# KiCad board FP Interface Card.kicad_pcb
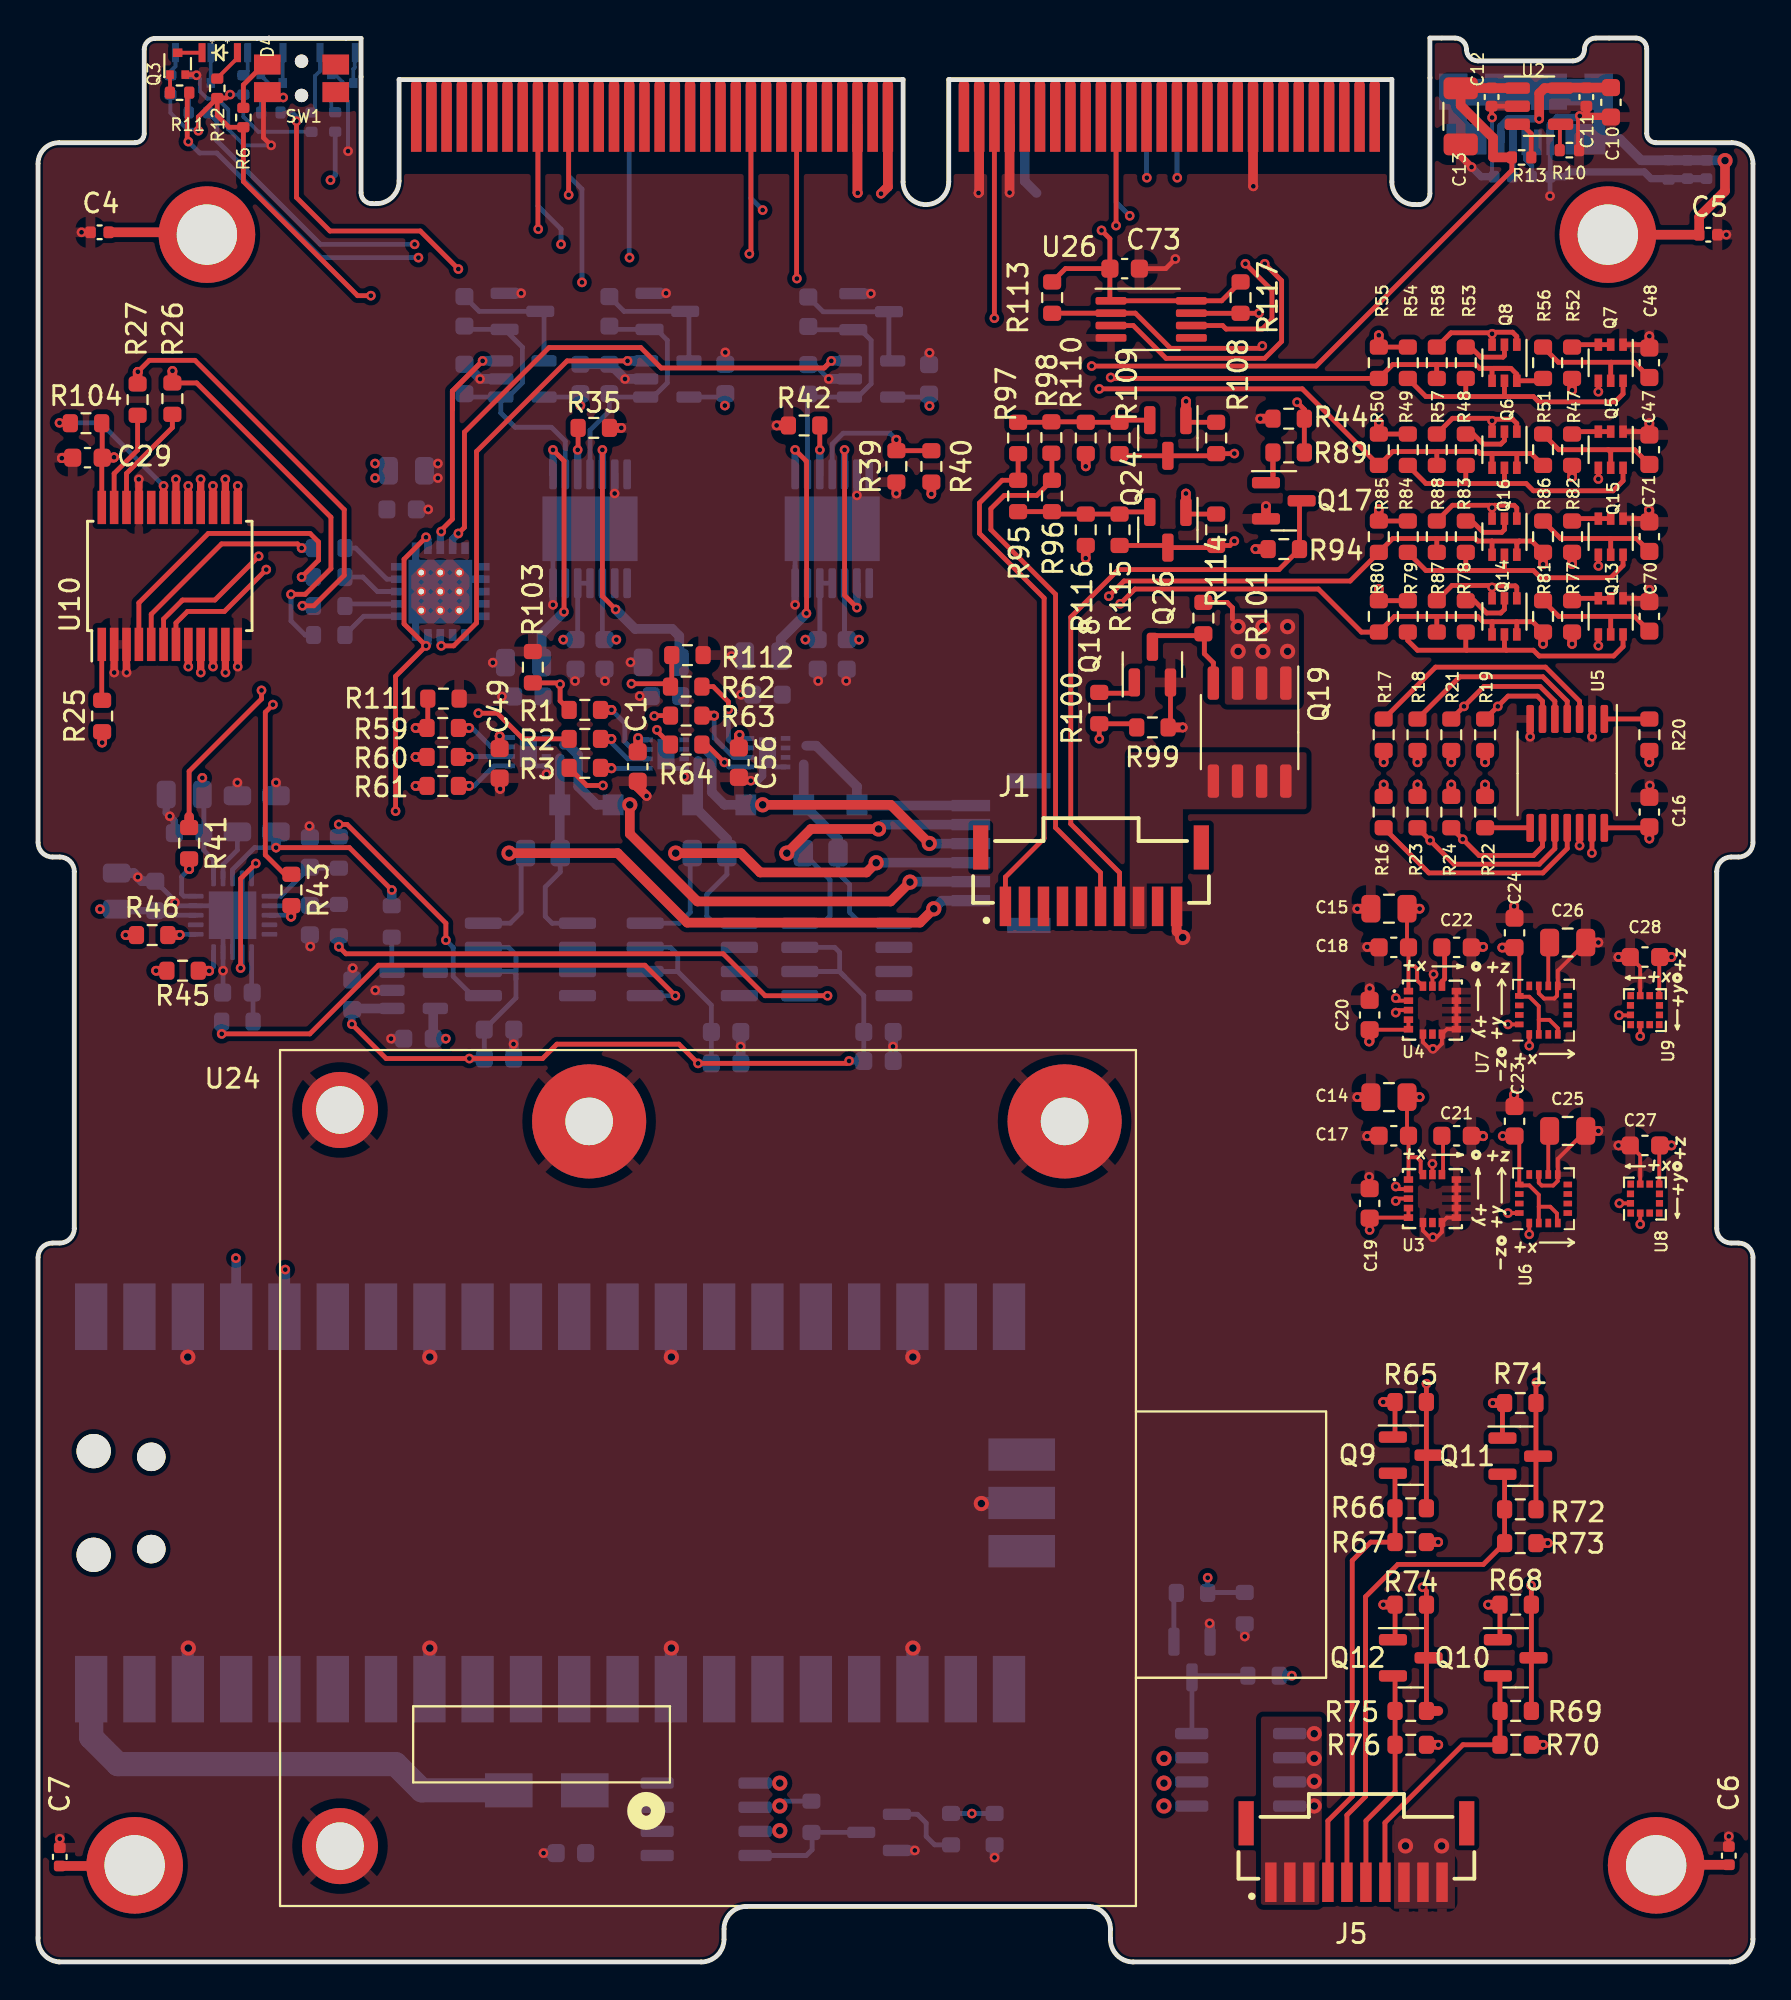
[diagram p0: board, top side]
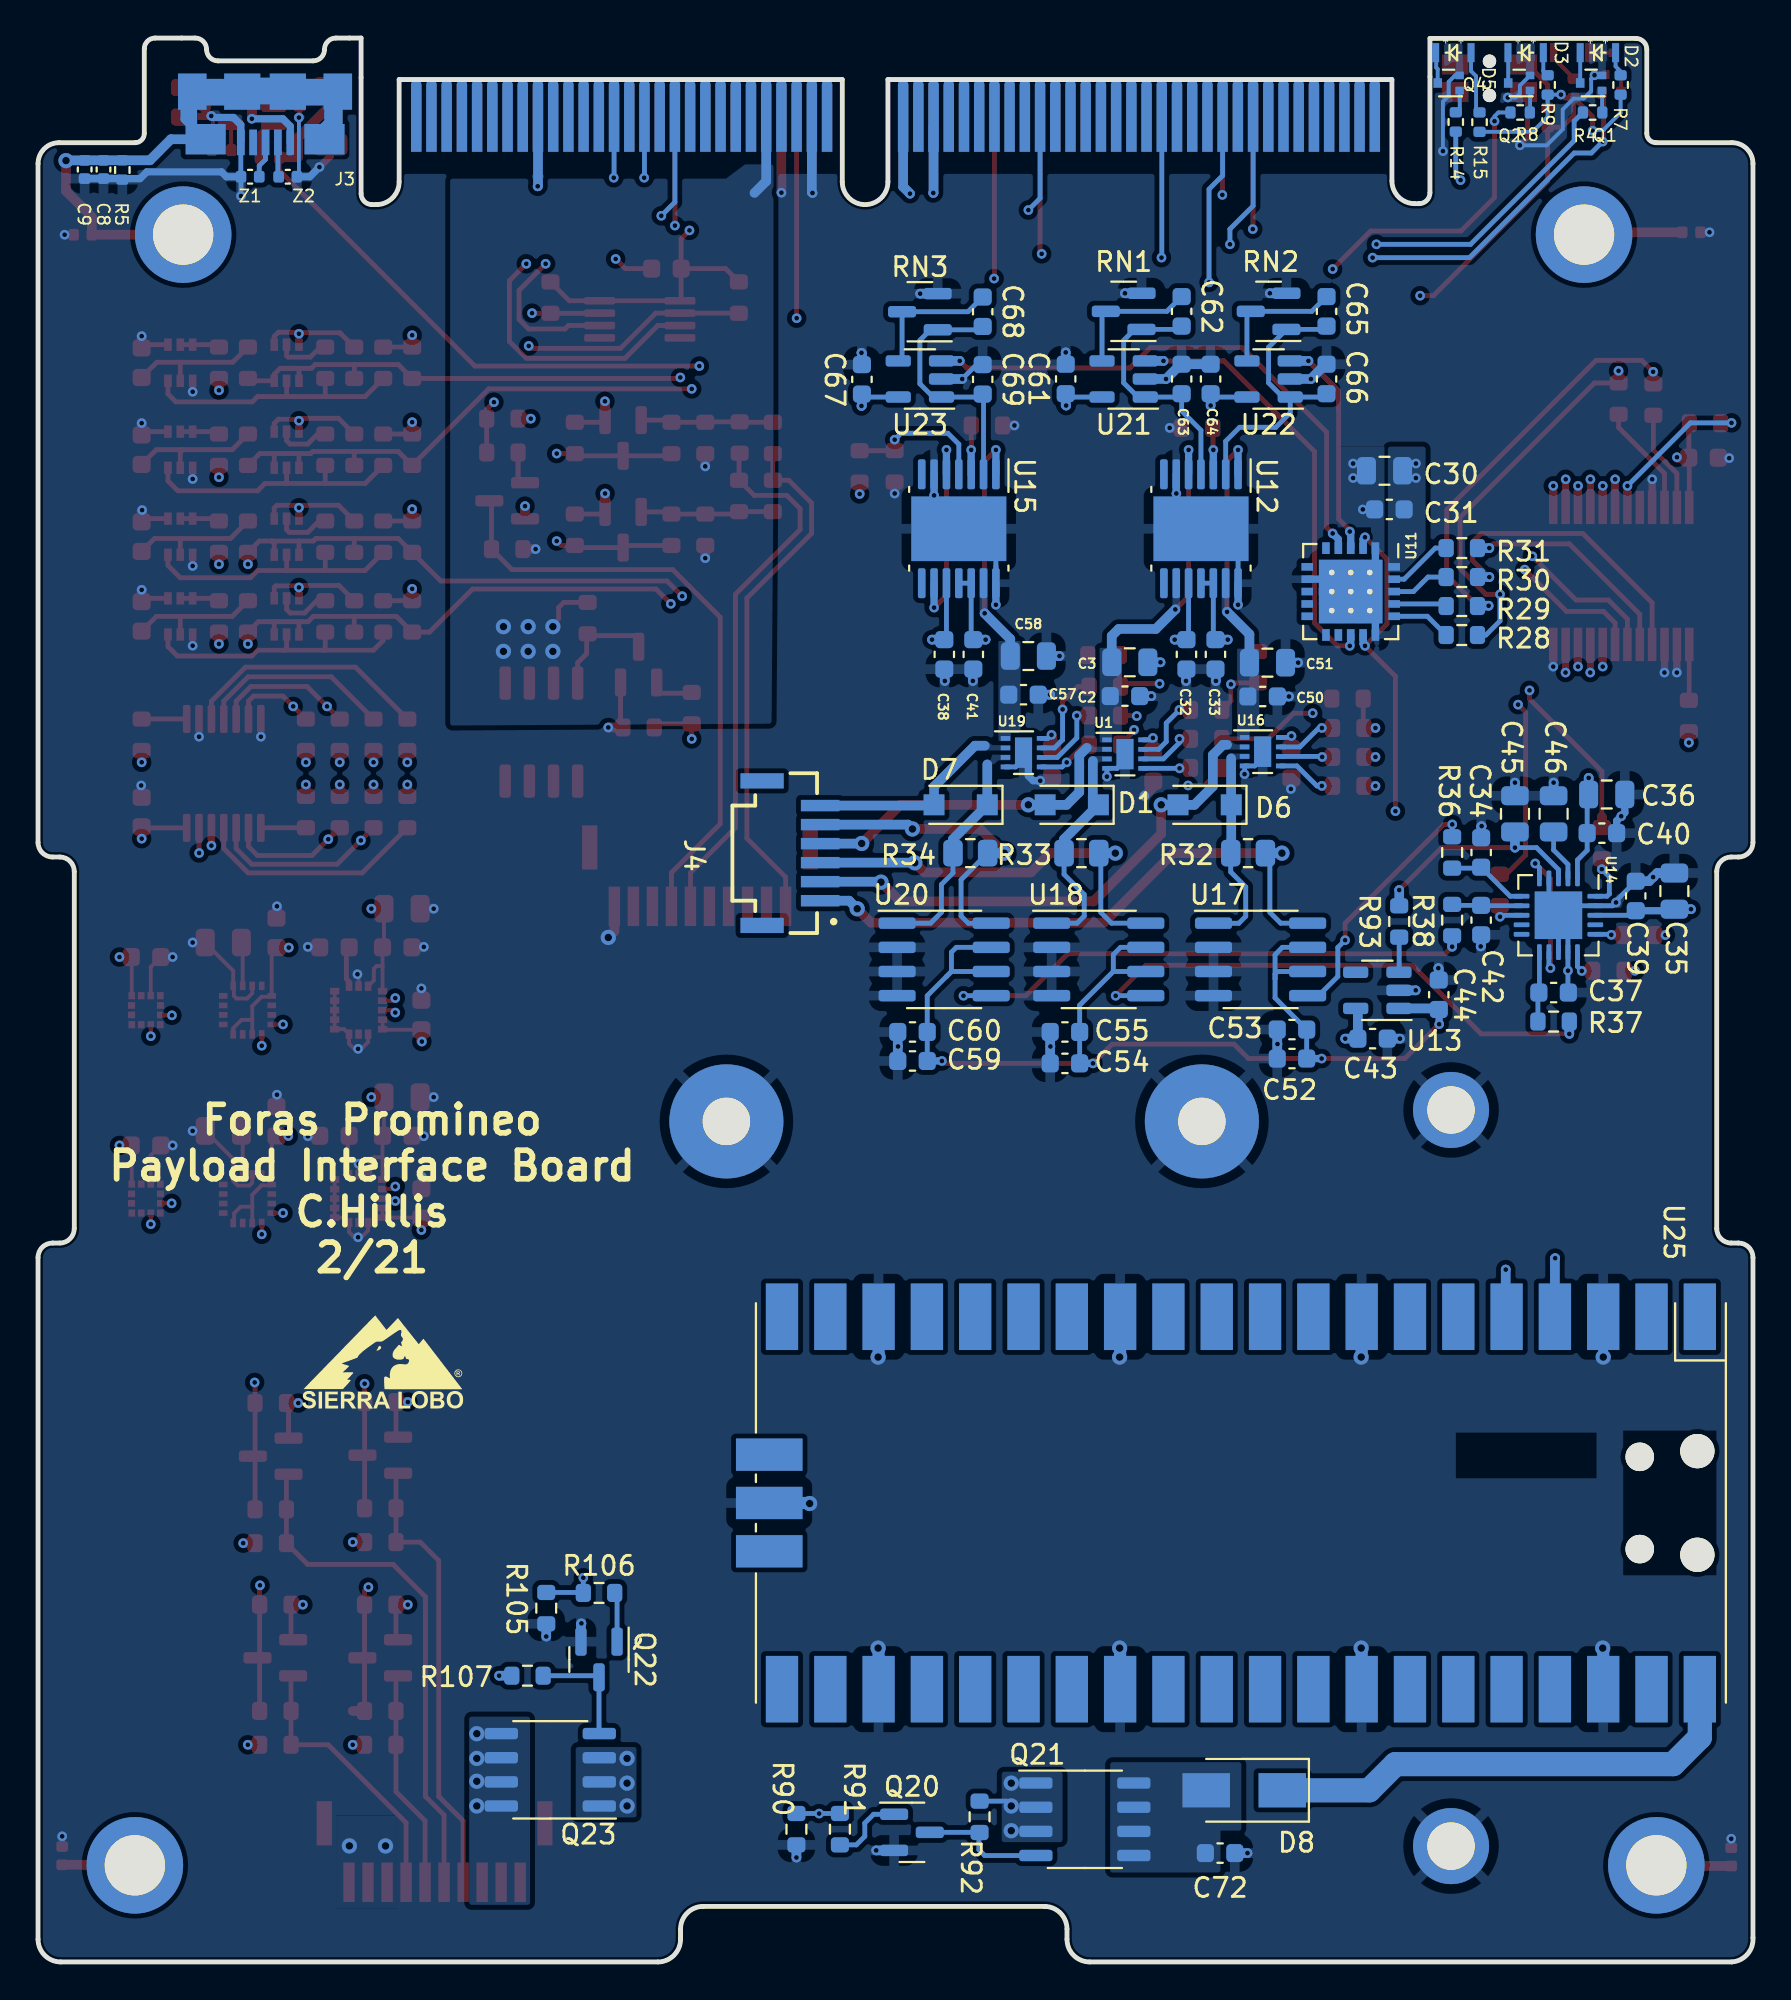
[diagram p1: board, bottom side, seen from below]

Outline 90.17 x 101.14 mm; copper layers: Top, In1.Cu, In2.Cu, In3.Cu, In4.Cu, Bottom. Coordinates in mm from the lower left corner of the outline.
Outline path: 0,1.27 0,37.03 arc(0.22,37.57) 0.76,37.8 1.14,37.8 arc(1.68,38.02) 1.91,38.56 1.91,57.33 arc(1.68,57.87) 1.14,58.09 0.76,58.09 arc(0.22,58.31) 0,58.85 0,94.54 arc(0.32,95.32) 1.1,95.64 5.1,95.64 arc(5.44,95.78) 5.58,96.13 5.58,100.55 arc(5.75,100.96) 6.16,101.13 11.5,101.13 16.98,101.13 16.98,99.11 16.98,93.01 arc(17.15,92.61) 17.56,92.44 17.78,92.44 arc(18.63,92.79) 18.98,93.64 18.98,98.96 45.48,98.96 45.48,93.59 arc(46.68,92.39) 47.88,93.59 47.88,98.96 71.18,98.96 71.18,93.59 arc(71.54,92.74) 72.38,92.39 72.61,92.39 arc(73.02,92.56) 73.18,92.96 73.18,99.06 73.18,101.14 74.51,101.14 arc(74.93,100.97) 75.11,100.54 arc(75.28,100.12) 75.71,99.94 80.71,99.94 arc(81.13,100.12) 81.31,100.54 arc(81.48,100.97) 81.91,101.14 84.02,101.14 arc(84.42,100.98) 84.58,100.58 84.58,96.13 arc(84.73,95.78) 85.07,95.64 89.07,95.64 arc(89.85,95.32) 90.17,94.54 90.17,58.85 arc(89.95,58.31) 89.41,58.09 89.03,58.09 arc(88.49,57.87) 88.27,57.33 88.27,38.56 arc(88.49,38.02) 89.03,37.8 89.41,37.8 arc(89.95,37.57) 90.17,37.03 90.17,1.19 arc(89.82,0.35) 88.98,0 57.58,0 arc(56.74,0.35) 56.39,1.19 56.39,1.73 arc(56.04,2.57) 55.19,2.92 37.26,2.92 arc(36.42,2.57) 36.07,1.73 36.07,1.19 arc(35.72,0.35) 34.87,0 1.12,0 arc(0.3,0.4) 0,1.27
Stack: Top 0.035mm / dielectric 0.274mm FR4 er 4.5 / In1.Cu 0.035mm / dielectric 0.274mm FR4 er 4.5 / In2.Cu 0.035mm / dielectric 0.274mm FR4 er 4.5 / In3.Cu 0.035mm / dielectric 0.274mm FR4 er 4.5 / In4.Cu 0.035mm / dielectric 0.274mm FR4 er 4.5 / Bottom 0.035mm

## Placement (name value [footprint] x y rotation side)
C1  0.1uF  [C_0603_1608Metric]  31.53 62.85 270 top
C2  0.1uF  [C_0603_1608Metric]  33.02 66.55 180 bottom
C3  4.7uF  [C_0805_2012Metric]  32.77 68.33 180 bottom
C4  0.1uF  [C_0402_1005Metric]  3.24 90.93 0 top
C5  0.1uF  [C_0402_1005Metric]  87.82 90.8 180 top
C6  0.1uF  [C_0402_1005Metric]  88.9 5.59 270 top
C7  0.1uF  [C_0402_1005Metric]  1.14 5.52 270 top
C8  0.1uF  [C_0402_1005Metric]  86.73 94.23 270 bottom
C9  1nF  [C_0402_1005Metric]  87.72 94.23 270 bottom
C10  10uF  [C_0603_1608Metric]  82.7 97.76 270 top
C11  0.1uF  [C_0402_1005Metric]  81.41 98.04 270 top
C12  0.1uF  [C_0402_1005Metric]  76.43 98.04 270 top
C13  47uF  [C_1206_3216Metric]  74.8 97.03 270 top
C14  2.2uF  [C_0805_2012Metric]  71.03 45.47 180 top
C15  2.2uF  [C_0805_2012Metric]  71.03 55.37 180 top
C16  0.1uF  [C_0603_1608Metric]  84.72 60.45 90 top
C17  0.1uF  [C_0603_1608Metric]  71.28 43.43 180 top
C18  0.1uF  [C_0603_1608Metric]  71.28 53.34 180 top
C19  10nF  [C_0603_1608Metric]  70.01 39.88 90 top
C20  10nF  [C_0603_1608Metric]  70.01 49.78 90 top
C21  0.47uF  [C_0603_1608Metric]  74.59 43.43 0 top
C22  0.47uF  [C_0603_1608Metric]  74.59 53.34 0 top
C23  1uF  [C_0603_1608Metric]  77.63 44.2 90 top
C24  1uF  [C_0603_1608Metric]  77.63 54.1 90 top
C25  10uF  [C_0805_2012Metric]  80.43 43.69 0 top
C26  10uF  [C_0805_2012Metric]  80.43 53.59 0 top
C27  1uF  [C_0603_1608Metric]  84.49 42.93 180 top
C28  1uF  [C_0603_1608Metric]  84.49 52.83 180 top
C29  0.1uF  [C_0603_1608Metric]  2.6 79.08 180 top
C30  10uF  [C_0805_2012Metric]  19.37 78.39 0 bottom
C31  0.1uF  [C_0603_1608Metric]  19.12 76.36 0 bottom
C32  0.1uF  [C_0603_1608Metric]  29.79 68.74 270 bottom
C33  0.1uF  [C_0603_1608Metric]  28.26 68.74 270 bottom
C34  560pF  [C_0603_1608Metric]  14.29 58.33 270 bottom
C35  10uF  [C_0805_2012Metric]  4.13 56.3 90 bottom
C36  10uF  [C_0805_2012Metric]  7.69 61.38 180 bottom
C37  560pF  [C_0603_1608Metric]  10.48 50.96 0 bottom
C38  0.1uF  [C_0603_1608Metric]  42.52 68.74 270 bottom
C39  0.1uF  [C_0603_1608Metric]  6.16 56.04 90 bottom
C40  0.1uF  [C_0603_1608Metric]  7.94 59.34 180 bottom
C41  0.1uF  [C_0603_1608Metric]  40.99 68.74 270 bottom
C42  560pF  [C_0603_1608Metric]  14.29 54.77 90 bottom
C43  0.1uF  [C_0603_1608Metric]  20 48.54 180 bottom
C44  0.1uF  [C_0603_1608Metric]  16.52 50.85 90 bottom
C45  2.2uF  [C_0805_2012Metric]  12.51 60.36 90 bottom
C46  2.2uF  [C_0805_2012Metric]  10.48 60.36 90 bottom
C47  10nF  [C_0603_1608Metric]  84.72 79.5 90 top
C48  10nF  [C_0603_1608Metric]  84.72 84.07 90 top
C49  0.1uF  [C_0603_1608Metric]  24.27 63.01 270 top
C50  0.1uF  [C_0603_1608Metric]  25.78 66.53 180 bottom
C51  4.7uF  [C_0805_2012Metric]  25.53 68.31 180 bottom
C52  1uF  [C_0603_1608Metric]  24.24 47.49 0 bottom
C53  0.1uF  [C_0603_1608Metric]  24.24 49.02 0 bottom
C54  1uF  [C_0603_1608Metric]  36.18 47.24 0 bottom
C55  0.1uF  [C_0603_1608Metric]  36.18 48.89 0 bottom
C56  0.1uF  [C_0603_1608Metric]  36.85 63.05 270 top
C57  0.1uF  [C_0603_1608Metric]  38.35 66.62 180 bottom
C58  4.7uF  [C_0805_2012Metric]  38.1 68.65 180 bottom
C59  1uF  [C_0603_1608Metric]  44.19 47.37 0 bottom
C60  0.1uF  [C_0603_1608Metric]  44.19 48.89 0 bottom
C61  0.1uF  [C_0603_1608Metric]  36.14 83.22 90 bottom
C62  0.1uF  [C_0603_1608Metric]  30.04 86.78 90 bottom
C63  0.1uF  [C_0603_1608Metric]  30.04 83.22 90 bottom
C64  0.1uF  [C_0603_1608Metric]  28.52 83.22 90 bottom
C65  0.1uF  [C_0603_1608Metric]  22.42 86.78 90 bottom
C66  0.1uF  [C_0603_1608Metric]  22.42 83.22 90 bottom
C67  0.1uF  [C_0603_1608Metric]  46.85 83.2 90 bottom
C68  0.1uF  [C_0603_1608Metric]  40.5 86.76 90 bottom
C69  0.1uF  [C_0603_1608Metric]  40.5 83.2 90 bottom
C70  10nF  [C_0603_1608Metric]  84.72 70.74 90 top
C71  10nF  [C_0603_1608Metric]  84.72 74.93 90 top
C72  1uF  [C_0603_1608Metric]  28.02 5.72 180 bottom
C73  0.01uF  [C_0603_1608Metric]  57.13 89.02 0 top
D1  TPSMF4L6.0A  [D_SOD-123F]  35.82 60.83 0 bottom
D2  RED  [APA2107x]  8.15 100.38 270 bottom
D3  YELLOW  [APA2107x]  11.95 100.38 270 bottom
D4  GREEN  [APA2107x]  9.55 100.38 270 top
D5  ORANGE  [APA2107x]  15.75 100.38 270 bottom
D6  TPSMF4L6.0A  [D_SOD-123F]  28.83 60.83 0 bottom
D7  TPSMF4L6.0A  [D_SOD-123F]  41.66 60.83 0 bottom
D8  S1G  [D_SMA]  26.75 9.02 0 bottom
G***  LOGO  [Sierra_Lobo_Logo]  72.06 31.54 180 bottom
H1  SLI-Backplane-Blank-Card-KiCad:125mil_hole  [125mil_hole]  8.88 90.81 0 top
H2  SLI-Backplane-Blank-Card-KiCad:125mil_hole  [125mil_hole]  82.54 90.81 0 top
H3  SLI-Backplane-Blank-Card-KiCad:125mil_hole  [125mil_hole]  85.08 5.08 0 top
H4  SLI-Backplane-Blank-Card-KiCad:125mil_hole  [125mil_hole]  5.08 5.08 0 top
J1  T1M-10-F-SV-L  [SAMTEC_T1M-10-F-SV-L]  55.37 57.91 0 top
J3  -  [ZX62-AB-5PA(31)]  78.23 101.13 0 bottom
J4  T1M-6-F-SV-L  [SAMTEC_T1M-06-F-SV-L]  51.44 58.29 90 bottom
J5  T1M-10-F-SV-L  [SAMTEC_T1M-10-F-SV-L]  69.32 6.6 0 top
P1  Card Edge for HSEC8-160-01-S-DV-A-K-TR  [HSEC8-160-CARD-EDGE]  45.48 98.96 0 top
Q1  BC847BM3T5G  [SOT-723]  8.51 98.78 0 bottom
Q2  BC847BM3T5G  [SOT-723]  12.29 98.78 0 bottom
Q3  BC847BM3T5G  [SOT-723]  7.34 99.8 90 top
Q4  BC847BM3T5G  [SOT-723]  16 98.78 0 bottom
Q5  BSS138DWQ-7  [SOT-363_SC-70-6]  82.69 79.5 270 top
Q6  MMDT5551-7-F  [SOT-363_SC-70-6]  77.1 79.5 270 top
Q7  BSS138DWQ-7  [SOT-363_SC-70-6]  82.69 84.07 270 top
Q8  MMDT5551-7-F  [SOT-363_SC-70-6]  77.1 84.07 270 top
Q9  BSS138  [SOT-23]  72.17 26.64 0 top
Q10  BSS138  [SOT-23]  77.69 15.99 0 top
Q11  BSS138  [SOT-23]  77.94 26.59 0 top
Q12  BSS138  [SOT-23]  72.18 15.99 0 top
Q13  BSS138DWQ-7  [SOT-363_SC-70-6]  82.69 70.74 270 top
Q14  MMDT5551-7-F  [SOT-363_SC-70-6]  77.1 70.74 270 top
Q15  BSS138DWQ-7  [SOT-363_SC-70-6]  82.69 74.93 270 top
Q16  MMDT5551-7-F  [SOT-363_SC-70-6]  77.1 74.93 270 top
Q17  MMBT4401-7-F  [SOT-23]  65.5 76.82 0 top
Q18  MMBT4401-7-F  [SOT-23]  58.59 68.2 90 top
Q19  IRF7404TRPBF  [SO-8_3.9x4.9mm_P1.27mm]  63.7 64.66 270 top
Q20  MMBT4401-7-F  [SOT-23]  44.22 6.81 180 bottom
Q21  IRF7404TRPBF  [SO-8_3.9x4.9mm_P1.27mm]  35.13 7.5 180 bottom
Q22  MMBT4401-7-F  [SOT-23]  60.67 15.9 270 bottom
Q23  IRF7404TRPBF  [SO-8_3.9x4.9mm_P1.27mm]  63.24 10.1 0 bottom
Q24  BSS138  [SOT-23]  59.41 80.12 270 top
Q26  BSS138  [SOT-23]  59.41 75.29 270 top
R1  100  [R_0603_1608Metric]  28.75 65.82 0 top
R2  100  [R_0603_1608Metric]  28.75 64.3 0 top
R3  100  [R_0603_1608Metric]  28.75 62.78 0 top
R4  1.5k  [R_0402_1005Metric]  8.43 97.23 0 bottom
R5  1Meg  [R_0402_1005Metric]  85.74 94.21 270 bottom
R6  10k  [R_0402_1005Metric]  10.8 96.96 90 top
R7  1.5k  [R_0402_1005Metric]  6.96 98.68 90 bottom
R8  1.5k  [R_0402_1005Metric]  12.24 97.23 0 bottom
R9  1.5k  [R_0402_1005Metric]  10.8 98.68 90 bottom
R10  10k  [R_0402_1005Metric]  80.52 95.25 0 top
R11  1.5k  [R_0402_1005Metric]  7.44 98.27 0 top
R12  1.5k  [R_0402_1005Metric]  9.42 98.5 90 top
R13  10k  [R_0402_1005Metric]  78 94.87 0 top
R14  1.5k  [R_0402_1005Metric]  15.63 96.73 270 bottom
R15  1.5k  [R_0402_1005Metric]  14.38 96.72 90 bottom
R16  100k  [R_0603_1608Metric]  70.75 60.45 270 top
R17  100k  [R_0603_1608Metric]  70.75 64.52 90 top
R18  100k  [R_0603_1608Metric]  72.53 64.52 90 top
R19  10k  [R_0603_1608Metric]  76.09 64.52 90 top
R20  100k  [R_0603_1608Metric]  84.72 64.52 90 top
R21  10k  [R_0603_1608Metric]  74.31 64.52 90 top
R22  100k  [R_0603_1608Metric]  76.09 60.45 270 top
R23  10k  [R_0603_1608Metric]  72.53 60.45 270 top
R24  10k  [R_0603_1608Metric]  74.31 60.45 270 top
R25  100k  [R_0603_1608Metric]  3.37 65.5 90 top
R26  51  [R_0603_1608Metric]  7.06 82.19 270 top
R27  51  [R_0603_1608Metric]  5.24 82.14 270 top
R28  51  [R_0603_1608Metric]  15.31 69.76 0 bottom
R29  51  [R_0603_1608Metric]  15.31 71.28 0 bottom
R30  100  [R_0603_1608Metric]  15.31 72.81 0 bottom
R31  100  [R_0603_1608Metric]  15.31 74.33 0 bottom
R32  200mR  [R_0805_2012Metric]  26.55 58.29 180 bottom
R33  200mR  [R_0805_2012Metric]  35.31 58.29 180 bottom
R34  91mR  [R_0805_2012Metric]  41.15 58.29 180 bottom
R35  100k  [R_0603_1608Metric]  29.22 80.65 180 top
R36  33  [R_0603_1608Metric]  15.82 58.33 90 bottom
R37  33  [R_0603_1608Metric]  10.48 49.44 180 bottom
R38  33  [R_0603_1608Metric]  15.82 54.77 270 bottom
R39  100k  [R_0603_1608Metric]  46.97 78.62 90 top
R40  100k  [R_0603_1608Metric]  45.13 78.63 270 top
R41  100  [R_0603_1608Metric]  7.94 58.81 270 top
R42  100k  [R_0603_1608Metric]  40.28 80.78 0 top
R43  100  [R_0603_1608Metric]  13.32 56.36 270 top
R44  100k  [R_0603_1608Metric]  65.76 81.13 180 top
R45  51  [R_0603_1608Metric]  7.6 52.11 0 top
R46  51  [R_0603_1608Metric]  6 53.99 0 top
R47  100k  [R_0603_1608Metric]  80.66 79.5 90 top
R48  680  [R_0603_1608Metric]  75.07 79.5 270 top
R49  10k  [R_0603_1608Metric]  72.02 79.5 270 top
R50  10k  [R_0603_1608Metric]  70.5 79.5 270 top
R51  200K  [R_0603_1608Metric]  79.13 79.5 90 top
R52  100k  [R_0603_1608Metric]  80.66 84.07 90 top
R53  680  [R_0603_1608Metric]  75.07 84.07 270 top
R54  10k  [R_0603_1608Metric]  72.02 84.07 270 top
R55  10k  [R_0603_1608Metric]  70.5 84.07 270 top
R56  200K  [R_0603_1608Metric]  79.13 84.07 90 top
R57  0  [R_0603_1608Metric]  73.55 79.5 90 top
R58  0  [R_0603_1608Metric]  73.55 84.07 90 top
R59  100  [R_0603_1608Metric]  21.28 64.87 0 top
R60  100  [R_0603_1608Metric]  21.28 63.35 0 top
R61  100  [R_0603_1608Metric]  21.28 61.83 0 top
R62  100  [R_0603_1608Metric]  34.08 67.05 0 top
R63  100  [R_0603_1608Metric]  34.08 65.52 0 top
R64  100  [R_0603_1608Metric]  34.08 64 0 top
R65  10k  [R_0603_1608Metric]  72.17 29.44 0 top
R66  DNP  [R_0603_1608Metric]  72.17 23.85 180 top
R67  10k  [R_0603_1608Metric]  72.17 22.07 180 top
R68  10k  [R_0603_1608Metric]  77.69 18.78 0 top
R69  DNP  [R_0603_1608Metric]  77.69 13.2 180 top
R70  10k  [R_0603_1608Metric]  77.69 11.42 180 top
R71  10k  [R_0603_1608Metric]  77.94 29.38 0 top
R72  DNP  [R_0603_1608Metric]  77.94 23.8 180 top
R73  10k  [R_0603_1608Metric]  77.94 22.02 180 top
R74  10k  [R_0603_1608Metric]  72.18 18.78 0 top
R75  DNP  [R_0603_1608Metric]  72.18 13.2 180 top
R76  10k  [R_0603_1608Metric]  72.18 11.42 180 top
R77  100k  [R_0603_1608Metric]  80.66 70.74 90 top
R78  680  [R_0603_1608Metric]  75.07 70.74 270 top
R79  10k  [R_0603_1608Metric]  72.02 70.74 270 top
R80  10k  [R_0603_1608Metric]  70.5 70.74 270 top
R81  200K  [R_0603_1608Metric]  79.13 70.74 90 top
R82  100k  [R_0603_1608Metric]  80.66 74.93 90 top
R83  680  [R_0603_1608Metric]  75.07 74.93 270 top
R84  10k  [R_0603_1608Metric]  72.02 74.93 270 top
R85  10k  [R_0603_1608Metric]  70.5 74.93 270 top
R86  200K  [R_0603_1608Metric]  79.13 74.93 90 top
R87  0  [R_0603_1608Metric]  73.55 70.74 90 top
R88  0  [R_0603_1608Metric]  73.55 74.93 90 top
R89  10k  [R_0603_1608Metric]  65.76 79.36 180 top
R90  100k  [R_0603_1608Metric]  50.29 6.98 270 bottom
R91  10k  [R_0603_1608Metric]  48.01 6.98 270 bottom
R92  3.3k  [R_0603_1608Metric]  40.66 7.63 270 bottom
R93  100k  [R_0603_1608Metric]  18.6 54.7 270 bottom
R94  100k  [R_0603_1608Metric]  65.5 74.28 0 top
R95  0  [R_0603_1608Metric]  51.53 77.07 90 top
R96  0  [R_0603_1608Metric]  53.31 77.07 90 top
R97  0  [R_0603_1608Metric]  51.53 80.12 270 top
R98  0  [R_0603_1608Metric]  53.28 80.14 270 top
R99  100k  [R_0603_1608Metric]  58.59 64.9 0 top
R100  10k  [R_0603_1608Metric]  55.8 65.92 90 top
R101  3.3k  [R_0603_1608Metric]  61.27 70.65 270 top
R103  100k  [R_0603_1608Metric]  26.02 68.07 90 top
R104  100k  [R_0603_1608Metric]  2.52 80.89 0 top
R105  100k  [R_0603_1608Metric]  63.45 18.6 270 bottom
R106  10k  [R_0603_1608Metric]  60.67 19.4 180 bottom
R107  3.3k  [R_0603_1608Metric]  64.44 15.05 180 bottom
R108  10k  [R_0603_1608Metric]  61.95 80.12 270 top
R109  DNP  [R_0603_1608Metric]  56.87 80.12 90 top
R110  10k  [R_0603_1608Metric]  55.09 80.12 90 top
R111  100k  [R_0603_1608Metric]  21.32 66.42 0 top
R112  100k  [R_0603_1608Metric]  34.15 68.7 0 top
R113  4.7k  [R_0603_1608Metric]  53.32 87.5 270 top
R114  10k  [R_0603_1608Metric]  61.95 75.29 270 top
R115  DNP  [R_0603_1608Metric]  56.87 75.29 90 top
R116  10k  [R_0603_1608Metric]  55.09 75.29 90 top
R117  4.7k  [R_0603_1608Metric]  63.23 87.5 270 top
RN1  MAX5490GC01000+T  [SOT-23]  33.09 86.78 0 bottom
RN2  MAX5490GC01000+T  [SOT-23]  25.47 86.78 0 bottom
RN3  MAX5490GC01000+T  [SOT-23]  43.8 86.76 0 bottom
SW1  SW_Push_SPST  [EVQP7C01P]  13.85 101.13 0 top
U1  DRV8838DSGT  [WSON-8-1EP_2x2mm_P0.5mm_EP0.9x1.6mm]  33.02 63.5 180 bottom
U2  AP2161W  [SOT-23-5]  78.92 97.56 0 top
U3  -  [IAM-20380]  73.32 40.13 0 top
U4  -  [IAM-20380]  73.32 50.04 0 top
U5  PCA9543APW,118  [TSSOP-14_4.4x5mm_P0.65mm]  80.4 62.48 270 top
U6  -  [MMC5983MA]  79.16 40.12 90 top
U7  -  [MMC5983MA]  79.16 50.04 90 top
U8  -  [MXC6655XA]  84.49 40.13 90 top
U9  -  [MXC6655XA]  84.49 50.04 90 top
U10  MAX7311AAG+  [SSOP-24_5.3x8.2mm_P0.65mm]  6.93 72.87 90 top
U11  MCP47FVB24-E/MQ  [MCP47FVB24EMQ]  21.15 72.04 270 bottom
U12  ALM2402QPWPRQ1  [HTSSOP-14-1EP_4.4x5mm_P0.65mm_EP3.4x5mm_Mask3x3.1mm]  29.02 75.35 270 bottom
U13  OPA340MDBVTEP  [SOT-23-5]  19.75 51.08 0 bottom
U14  AD7091R-5BCPZ-RL7  [QFN-20-1EP_4x4mm_P0.5mm_EP2.5x2.5mm]  10.23 55.03 270 bottom
U15  ALM2402QPWPRQ1  [HTSSOP-14-1EP_4.4x5mm_P0.65mm_EP3.4x5mm_Mask3x3.1mm]  41.76 75.35 270 bottom
U16  DRV8838DSGT  [WSON-8-1EP_2x2mm_P0.5mm_EP0.9x1.6mm]  25.78 63.63 180 bottom
U17  INA240A3EDRQ1  [SOIC-8_3.9x4.9mm_P1.27mm]  25.89 52.7 180 bottom
U18  INA240A3EDRQ1  [SOIC-8_3.9x4.9mm_P1.27mm]  34.4 52.7 180 bottom
U19  DRV8838DSGT  [WSON-8-1EP_2x2mm_P0.5mm_EP0.9x1.6mm]  38.35 63.57 180 bottom
U20  INA240A3EDRQ1  [SOIC-8_3.9x4.9mm_P1.27mm]  42.53 52.7 180 bottom
U21  OPA340MDBVTEP  [SOT-23-5]  33.09 83.22 0 bottom
U22  OPA340MDBVTEP  [SOT-23-5]  25.47 83.22 0 bottom
U23  OPA340MDBVTEP  [SOT-23-5]  43.8 83.22 0 bottom
U24  -  [RockBlock_9603]  35.23 25.44 0 top
U25  Pico  [RPi_Pico_SMD_TH]  26.92 24.13 270 bottom
U26  LTC4307  [MSOP-8_3x3mm_P0.65mm]  58.53 86.36 0 top
Z1  CG0402MLU-05G  [C_0402_1005Metric]  79.02 93.85 0 bottom
Z2  CG0402MLU-05G  [C_0402_1005Metric]  77.04 93.85 180 bottom
